# KiCad board Clavier.kicad_pcb (continued)
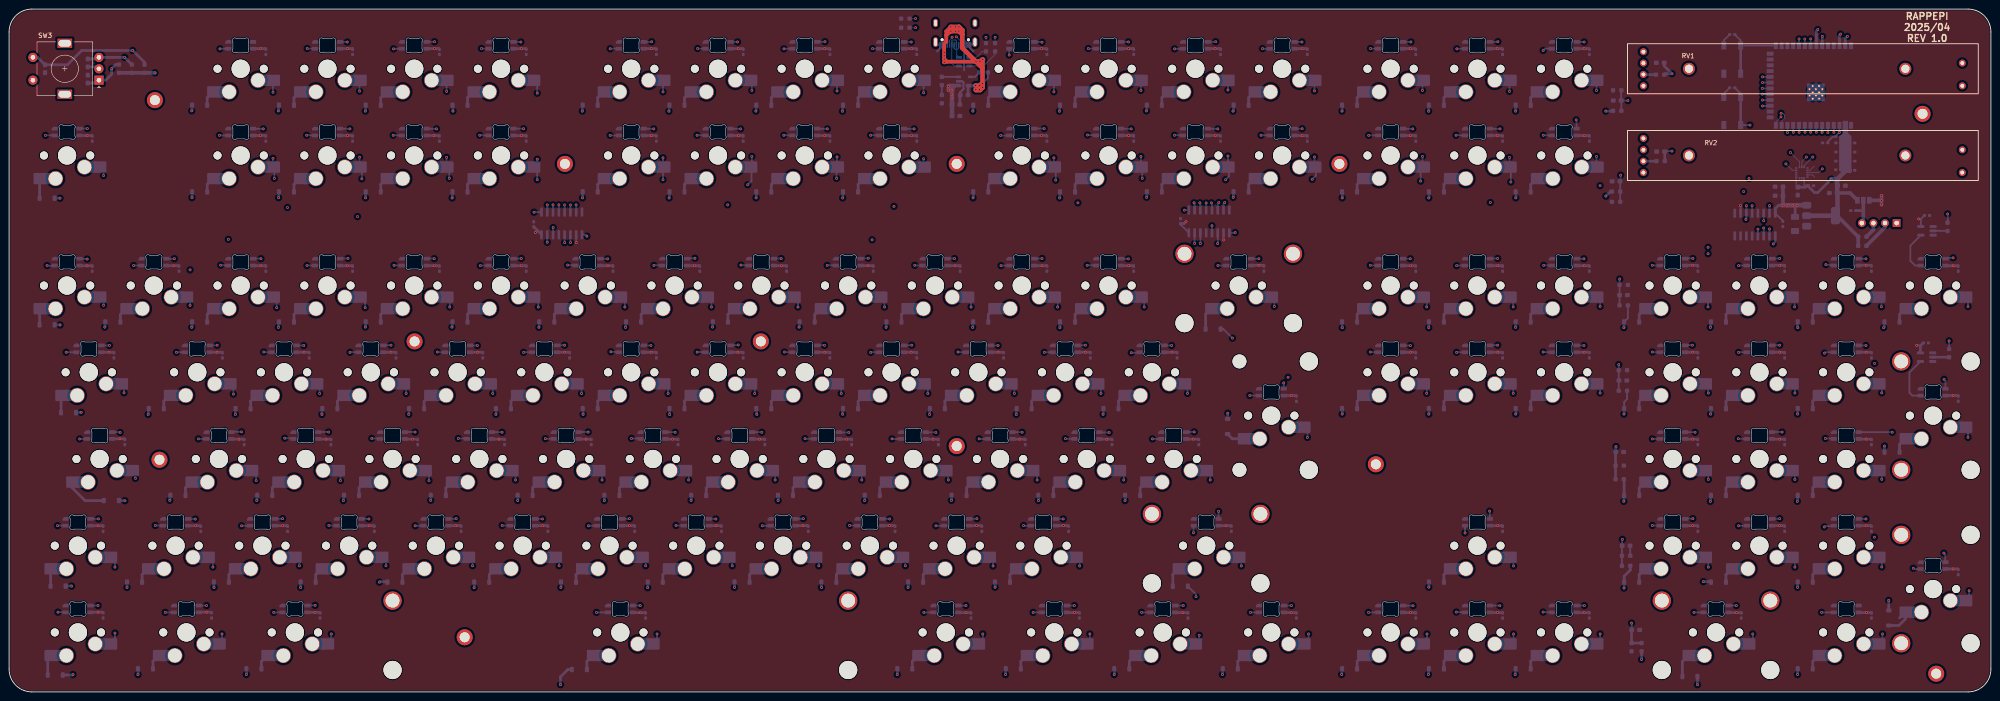
[diagram p0: board, top side]
## Routing (per net, layer and track width the routed paths; a pad name or vN(x,y) marks a point on that pad's centre or on a via; arc(x,y) is an arc through that point) (continued)
  In2.Cu w0.4: v1(39.73,92.71) v1(39.73,84.91) 49.23,75.41 v1(49.23,65.41) 54.23,60.41 v1(54.23,46.41) 44.73,36.91 v1(44.73,27.41) 46.73,25.41 v1(46.73,12.73)
  Bottom w0.4: MX75.1 54.23,47.83 v1(54.23,46.41) ; MX91.1 44.73,28.75 v1(44.73,27.41) ; v1(49.23,65.41) 49.23,67.11 MX54.1 ; v1(115.23,105.38) 115.23,105.39 116.86,105.39 ; 45.97,10.34 46.73,11.1 v1(46.73,12.73) ; v1(39.73,84.91) 39.73,86.14 MX33.1
Column 3: length 207.2
  In1.Cu w0.4: v1(61.1,106.41) 117.54,106.41 v1(118.13,107)
  In2.Cu w0.4: v1(70.73,12.73) 70.73,19.91 63.73,26.91 v1(63.73,27.71) 63.73,37.41 v1(72.73,46.41) 72.73,60.97 v1(68.15,65.54) 68.23,65.62 68.23,74.91 v1(58.73,84.41) 58.73,103.91 61.1,106.29 v1(61.1,106.41) 61.1,110.04 58.33,112.81 v1(58.23,112.81) ; v1(57.93,117.23) v1(57.93,131.73)
  Bottom w0.4: v1(57.93,131.73) 57.93,134.33 ; v1(68.15,65.54) 68.15,67.24 MX55.1 ; v1(58.73,84.41) 58.73,86.19 MX34.1 ; MX17.1 58.23,115.26 v1(58.23,112.81) ; MX92.1 63.73,28.8 v1(63.73,27.71) ; 57.93,115.4 v1(57.93,117.23) ; MX76.1 72.73,48.38 v1(72.73,46.41) ; v1(118.13,107) 118.13,105.39 ; v1(70.73,12.73) 70.73,11.16 69.97,10.4 69.97,10.34
Column 4: length 173
  In1.Cu w0.4: v1(119.38,107) 119.38,106.32 117.48,104.41 v1(76.48,104.41)
  In2.Cu w0.4: v1(76.93,117.46) v1(76.93,131.96) ; v1(82.73,27.71) 82.73,36.99 v1(92.15,46.41) 92.15,60.54 v1(87.15,65.54) 87.15,74.85 78.15,83.85 v1(78.15,84.41) 78.15,96.74 76.48,98.41 76.48,111.76 v1(77.43,112.71)
  Bottom w0.4: MX56.1 87.15,67.29 v1(87.15,65.54) ; v1(76.93,131.96) 76.93,134.57 ; MX93.1 82.73,28.85 v1(82.73,27.71) ; v1(119.38,107) 119.4,106.99 119.4,105.39 ; 76.93,115.64 v1(76.93,117.46) ; MX35.1 78.15,85.81 v1(78.15,84.41) ; MX77.1 92.15,48 v1(92.15,46.41) ; v1(77.43,112.71) 77.43,115.11 MX18.1
Column 5: length 153.4
  In2.Cu w0.4: 99.33,110.11 v1(96.63,112.81) ; 99.33,110.11 119.73,110.11 120.67,109.17 v1(120.67,107) ; 99.33,110.11 99.33,108.01 96.73,105.41 v1(96.73,84.54) 106.23,75.04 106.23,65.62 v1(106.15,65.54) 111.15,60.54 v1(111.15,46.54) 101.73,37.12 v1(101.73,27.71) ; v1(96.03,117.43) v1(96.03,131.93)
  Bottom w0.4: v1(96.73,84.54) 96.73,86.29 MX36.1 ; v1(96.63,112.81) 96.63,114.96 MX19.1 ; MX94.1 101.73,28.9 v1(101.73,27.71) ; v1(106.15,65.54) 106.15,67.34 105.81,67.68 ; v1(96.03,131.93) 96.03,134.53 ; MX78.1 111.15,48.05 v1(111.15,46.54) ; 96.03,115.6 v1(96.03,117.43) ; v1(120.67,107) 120.67,105.39
Column 6: length 137.1
  In2.Cu w0.4: v1(120.73,27.71) 120.73,37.12 v1(130.15,46.54) 130.15,61.04 v1(125.65,65.54) 125.65,74.99 116.15,84.49 v1(116.15,84.54) 116.15,95.49 114.23,97.41 114.23,101.41 116.35,103.54 118.35,103.54 121.81,107 v1(121.92,107) 121.92,109.82 120.23,111.51 116.93,111.51 v1(115.93,112.51) ; v1(115.93,117.03) v1(115.93,131.53)
  Bottom w0.4: v1(121.92,107) 121.94,106.99 121.94,105.39 ; MX95.1 120.73,28.95 v1(120.73,27.71) ; 115.93,115.2 v1(115.93,117.03) ; MX58.1 125.65,66.89 v1(125.65,65.54) ; MX79.1 130.15,48.1 v1(130.15,46.54) ; MX37.1 116.15,85.91 v1(116.15,84.54) ; v1(115.93,131.53) 115.93,134.13 ; v1(115.93,112.51) 115.93,114.71 MX20.1
Column 7: length 169.4
  In2.Cu w0.4: v1(143.53,117.33) v1(143.53,131.83) ; 141.13,110.11 v1(143.53,112.51) ; 141.13,110.11 124.93,110.11 123.23,108.41 v1(123.23,106.97) 123.23,106.91 ; 141.13,110.11 135.15,104.14 v1(135.15,84.54) 144.65,75.04 v1(144.65,65.54) 149.15,61.04 v1(149.15,46.54) 139.73,37.12 v1(139.73,27.71) 142.23,25.21 v1(142.23,12.73)
  Bottom w0.4: v1(135.15,84.54) 135.15,85.96 MX38.1 ; v1(143.53,112.51) 143.53,114.92 143.91,115.3 ; v1(139.73,27.71) 139.73,29 MX96.1 ; v1(149.15,46.54) 149.15,48.15 MX80.1 ; v1(144.65,65.54) 144.65,66.94 143.91,67.68 ; v1(142.23,12.73) 142.23,11.22 MX111.1 ; v1(123.23,106.97) 123.21,106.95 123.21,105.39 ; v1(143.53,131.83) 143.53,134.43 ; 143.53,115.5 v1(143.53,117.33)
Column 8: length 164
  In1.Cu w0.4: v1(124.46,107) v1(157.71,107)
  In2.Cu w0.4: v1(162.13,111.41) v1(157.71,107) 154.15,103.44 v1(154.15,84.54) 154.15,83.85 163.65,74.35 v1(163.65,65.54) 168.15,61.04 v1(168.15,46.54) 158.73,37.12 v1(158.73,27.71) ; v1(163.03,117.63) v1(163.03,132.13)
  Bottom w0.4: v1(162.13,111.41) 162.96,112.25 MX22.1 ; v1(168.15,46.54) 168.15,48.2 MX81.1 ; v1(158.73,27.71) 158.73,29.05 MX97.1 ; 163.03,115.8 v1(163.03,117.63) ; v1(154.15,84.54) 154.15,86.01 MX39.1 ; 124.48,105.39 124.48,106.99 v1(124.46,107) ; MX60.1 163.65,66.99 v1(163.65,65.54) ; v1(163.03,132.13) 163.03,134.73
Column 9: length 214.7
  In1.Cu w0.4: v1(260.21,98.51) 260.13,98.51 259.33,99.31 v1(189.43,99.31)
  In2.Cu w0.4: v1(181.73,117.53) v1(181.73,132.03) ; v1(181.63,112.81) 181.63,107.11 v1(189.43,99.31) 181.38,99.31 173.15,91.09 v1(173.15,84.54) 174.84,84.54 182.65,76.74 v1(182.65,65.54) 187.15,61.04 v1(187.15,46.54) 177.73,37.12 v1(177.73,27.71)
  Bottom w0.4: v1(173.15,84.54) 173.15,86.06 MX40.1 ; v1(187.15,46.54) 187.15,48.25 MX82.1 ; v1(181.73,132.03) 181.73,134.63 ; 181.73,115.7 v1(181.73,117.53) ; v1(182.65,65.54) 182.65,67.04 MX61.1 ; v1(177.73,27.71) 177.73,29.1 MX98.1 ; v1(181.63,112.81) 181.63,114.92 MX23.1 ; v1(260.21,98.51) 260.21,100.88
Column 10: length 195.7
  In1.Cu w0.4: v1(257.98,105.83) 257.14,106.66 v1(194.23,106.66)
  In2.Cu w0.4: v1(196.73,27.71) 196.73,37.12 v1(206.15,46.54) 206.15,50.7 205,51.85 205,62.2 v1(201.65,65.54) 201.65,75.04 v1(192.15,84.54) 192.15,104.59 v1(194.23,106.66) 200.73,113.16 v1(200.73,117.13) v1(200.73,131.63)
  Bottom w0.4: MX99.1 196.73,29.15 v1(196.73,27.71) ; MX62.1 201.65,67.09 v1(201.65,65.54) ; 258.94,105.83 v1(257.98,105.83) ; 200.73,115.3 v1(200.73,117.13) ; v1(206.15,46.54) 206.15,48.3 MX83.1 ; v1(200.73,131.63) 200.73,134.23 ; v1(192.15,84.54) 192.15,86.11 MX41.1
Column 11: length 195.2
  In1.Cu w0.4: v1(260.1,107.44) v1(234.6,107.44)
  In2.Cu w0.4: v1(229.73,112.41) 229.73,112.31 v1(234.6,107.44) 234.57,107.41 214.23,107.41 211.15,104.34 v1(211.15,84.54) 220.65,75.04 v1(220.65,65.54) 225.65,60.54 v1(225.65,46.54) 215.98,36.87 v1(215.98,27.66) 213.73,25.41 v1(213.73,12.73) ; v1(229.33,117.33) v1(229.33,131.83)
  Bottom w0.4: v1(211.15,84.54) 211.15,86.16 MX42.1 ; v1(225.65,46.54) 225.65,47.85 MX84.1 ; v1(215.98,27.66) 215.98,28.95 MX100.1 ; 229.33,115.5 v1(229.33,117.33) ; MX112.1 213.73,11.29 v1(213.73,12.73) ; v1(229.33,131.83) 229.33,134.43 ; v1(220.65,65.54) 220.65,67.14 220.11,67.68 ; MX25.1 229.73,115.21 v1(229.73,112.41) ; 260.21,105.83 260.21,107.33 v1(260.1,107.44)
Column 12: length 174.5
  In2.Cu w0.4: v1(237.23,12.73) 237.23,25.41 v1(234.98,27.66) 234.98,36.87 v1(244.65,46.54) 244.65,60.58 v1(239.66,65.58) 239.66,75.04 v1(230.15,84.54) 230.15,104.34 231.73,105.91 241.83,105.91 v1(248.73,112.81) 251.83,109.71 259.53,109.71 261.37,107.87 v1(261.37,107.44) ; v1(248.43,117.63) v1(248.43,132.13)
  Bottom w0.4: v1(248.43,132.13) 248.43,134.73 ; v1(230.15,84.54) 230.15,86.21 MX43.1 ; MX26.1 248.73,115.26 v1(248.73,112.81) ; 261.48,105.83 261.48,107.33 v1(261.37,107.44) ; MX113.1 237.23,10.97 v1(237.23,12.73) ; v1(239.66,65.58) 239.66,67.18 MX64.1 ; v1(234.98,27.66) 234.98,29 MX101.1 ; 248.43,115.8 v1(248.43,117.63) ; MX85.1 244.65,47.9 v1(244.65,46.54)
Column 13: length 163
  In2.Cu w0.4: v1(267.03,112.51) 262.75,108.24 v1(262.75,107.41) 262.75,106.19 261.48,104.91 250.48,104.91 249.15,103.59 v1(249.15,84.54) 258.66,75.04 v1(258.66,65.58) 263.65,60.58 v1(263.65,46.54) 265.84,46.54 270.48,41.91 v1(270.48,27.66) 261.23,18.41 v1(261.23,12.45) ; v1(267.53,117.73) v1(267.53,132.23)
  Bottom w0.4: MX86.1 263.65,47.95 v1(263.65,46.54) ; 257.98,67.66 257.99,67.68 MX65.1 258.66,67.23 v1(258.66,65.58) ; MX27.1 267.74,113.22 v1(267.03,112.51) ; 262.75,105.83 v1(262.75,107.41) ; v1(261.23,12.45) 261.23,11.16 MX114.1 ; MX102.1 270.48,29.22 v1(270.48,27.66) ; 267.53,115.9 v1(267.53,117.73) ; v1(249.15,84.54) 249.15,86.26 MX44.1 ; v1(267.53,132.23) 267.53,134.83
Column 14: length 166.5
  In2.Cu w0.4: v1(286.53,117.53) v1(286.53,132.03) ; v1(286.03,112.61) 283.83,110.41 266.88,110.41 v1(263.91,107.44) 266.69,104.66 273.98,104.66 277.73,100.91 v1(277.73,84.66) 277.73,74.91 284.98,67.66 v1(284.98,55.91) 280.73,51.66 280.73,45.91 285.23,41.41 v1(285.23,12.73)
  Bottom w0.4: v1(286.53,132.03) 286.53,134.63 ; v1(277.73,84.66) 277.73,86.26 MX45.1 ; MX28.1 286.83,115.26 286.83,113.41 v1(286.03,112.61) ; MX66.1 284.98,57.58 v1(284.98,55.91) ; 286.53,115.7 v1(286.53,117.53) ; v1(285.23,12.73) 285.23,11.35 MX115.1 ; 264.02,105.83 264.02,107.33 v1(263.91,107.44)
Column 15: length 178.2
  In2.Cu w0.4: v1(311.23,12.73) 310.48,13.48 310.48,64.9 v1(311.16,65.58) 310.48,66.26 310.48,83.9 v1(311.16,84.58) 310.91,84.82 310.91,106.5 308,109.41 307.03,109.41 ; 307.03,109.41 307.98,109.41 309.83,111.26 v1(309.83,112.21) ; 307.03,109.41 267.43,109.41 v1(265.53,107.51) ; v1(310.23,117.63) v1(310.23,132.13)
  Bottom w0.4: MX46.1 311.16,86.17 v1(311.16,84.58) ; v1(311.23,12.73) 311.23,11.16 MX116.1 ; MX67.1 311.16,67.12 v1(311.16,65.58) ; 310.23,115.8 v1(310.23,117.63) ; v1(309.83,112.21) 309.83,114.53 MX29.1 ; v1(265.53,107.51) 265.29,107.28 265.29,105.83 ; v1(310.23,132.13) 310.23,134.73
Column 16: length 197.9
  In1.Cu w0.4: v1(266.83,107.51) v1(325.13,107.51)
  In2.Cu w0.4: v1(329.63,112.01) v1(325.13,107.51) 328.38,107.51 330.01,105.88 330.01,84.73 v1(330.16,84.58) 329.48,83.9 329.48,77.91 329.96,77.42 329.96,65.77 v1(330.16,65.58) 329.48,64.9 329.48,58.66 330.23,57.91 v1(330.23,27.66) v1(330.23,12.73) ; v1(329.33,117.43) v1(329.33,131.93)
  Bottom w0.4: v1(266.83,107.51) 266.56,107.25 266.56,105.83 ; MX30.1 329.63,115.28 v1(329.63,112.01) ; v1(330.23,12.73) 330.23,11.11 MX117.1 ; v1(330.16,65.58) 330.16,67.17 MX68.1 ; MX47.1 330.16,86.22 v1(330.16,84.58) ; v1(330.23,27.66) 330.23,29 MX103.1 ; v1(329.33,131.93) 329.33,134.53 ; 329.33,115.6 v1(329.33,117.43)
Column 17: length 171.7
  In1.Cu w0.4: v1(349.23,111.21) 350.53,109.91 v1(380.73,109.91)
  In2.Cu w0.4: v1(348.43,132.13) v1(348.43,117.63) 349.23,116.83 v1(349.23,111.21) v1(349.23,84.66) v1(349.23,65.66) v1(349.23,12.73) ; v1(380.73,109.91) 383.43,109.91 386.41,106.93 v1(386.41,106.82)
  Bottom w0.4: 348.43,115.8 v1(348.43,117.63) ; MX118.1 349.23,11.06 v1(349.23,12.73) ; v1(386.41,106.82) 386.41,105.2 ; v1(349.23,65.66) 349.23,67.15 MX69.1 ; 348.95,86.73 349.23,86.45 v1(349.23,84.66) ; v1(348.43,132.13) 348.43,134.73
Column 18: length 119.1
  In1.Cu w0.4: v1(372.93,96.27) 372.91,96.25 v1(372.91,84.58) ; v1(372.93,97.67) 373.67,98.41 v1(387.23,98.41)
  In2.Cu w0.4: v1(372.91,84.58) 372.72,84.39 372.71,84.39 371.98,83.66 371.98,76.66 372.98,75.66 v1(372.98,65.66) 372.98,65.41 372.23,64.66 372.23,55.41 372.98,54.66 v1(372.98,46.66) 372.23,45.91 372.23,33.41 372.98,32.66 v1(372.98,27.41) 382.73,17.66 v1(382.73,12.73) ; v1(372.93,96.27) v1(372.93,97.67)
  Bottom w0.4: MX119.1 382.73,11.22 v1(382.73,12.73) ; MX87.1 372.98,48.16 v1(372.98,46.66) ; MX70.1 372.98,67.21 v1(372.98,65.66) ; v1(372.91,84.58) 372.91,86.33 MX49.1 ; v1(372.98,27.41) 372.98,29.11 MX104.1 ; 387.67,100.19 387.67,98.86 v1(387.23,98.41)
Column 19: length 88.5
  In2.Cu w0.4: v1(386.41,101.72) 391.91,96.22 v1(391.91,84.58) 391.48,84.15 391.48,66.16 v1(391.98,65.66) 391.48,65.16 391.48,47.16 v1(391.98,46.66) 391.23,45.91 391.23,28.16 v1(391.98,27.41)
  Bottom w0.4: MX88.1 391.98,48.21 v1(391.98,46.66) ; MX71.1 391.98,67.26 v1(391.98,65.66) ; MX50.1 391.91,86.38 v1(391.91,84.58) ; v1(391.98,27.41) 391.98,29.16 MX105.1 ; 386.41,100.19 v1(386.41,101.72)
Column 20: length 125.2
  In2.Cu w0.4: v1(411.23,12.73) 411.05,12.91 v1(411.05,27.44) v1(411.05,46.69) 410.48,47.26 410.48,65.12 v1(411.05,65.69) 410.48,66.26 410.48,84.11 v1(410.98,84.61) 410.98,94.66 407.73,97.91 391.73,97.91 387.22,102.42 385.63,102.42 v1(385.13,101.91)
  Bottom w0.4: v1(411.05,65.69) 411.05,67.24 410.61,67.68 ; v1(411.23,12.73) 411.23,11.14 410.61,10.53 ; v1(410.98,84.61) 410.98,86.36 410.61,86.73 ; 410.61,48.63 411.05,48.19 v1(411.05,46.69) ; v1(411.05,27.44) 411.05,29.14 410.61,29.58 ; v1(385.13,101.91) 385.13,100.19
Column 21: length 134.5
  In1.Cu w0.4: v1(429.98,84.66) 429.98,94.91 426.48,98.41 392.73,98.41 391.48,99.66 385.86,99.66 v1(383.86,101.66)
  In2.Cu w0.4: v1(430.23,22.23) 430.23,29.66 426.98,32.91 426.98,52.91 v1(429.98,55.91) 429.98,68.41 427.73,70.66 427.73,77.66 429.98,79.91 v1(429.98,84.66)
  Bottom w0.4: v1(383.86,101.66) 383.86,100.19 ; 429.66,58.15 429.98,57.84 v1(429.98,55.91) ; v1(430.23,22.23) 430.23,20.62 429.66,20.05 ; 429.66,86.73 429.98,86.41 v1(429.98,84.66)
D+: length 199.9
  In2.Cu w0.158: v1(388.93,126.31) 389.21,126.31 389.5,126.6 389.5,127.98 389.28,128.2 389.28,143.48 385.58,147.18 216.43,147.18 215.25,146 215.25,144.63 v1(214.43,143.81)
  Bottom w0.2: v1(388.93,126.31) 387.8,125.19 U1.14 ; R20.1 v1(214.43,143.81)
D-: length 198.8
  In2.Cu w0.158: v1(216.43,143.81) 215.61,144.63 215.61,145.85 216.58,146.82 385.43,146.82 388.92,143.33 388.92,127.14
  In2.Cu w0.2: 216.43,144.11 v1(216.43,143.81) ; 388.92,127.14 v1(388.95,127.11)
  Bottom w0.2: v1(388.95,127.11) 389.33,127.11 389.73,126.71 389.73,126.09 389.13,125.49 389.13,124.52 U1.13 ; R21.1 v1(216.43,143.81)
EN: length 38.4
  In1.Cu w0.4: v1(401.73,122.91) 401.73,125.11 401.33,125.51 383.13,125.51 v1(382.13,124.51)
  Bottom w0.4: U1.3 401.77,122.96 v1(401.73,122.91) 400.93,122.12 R1.2 400.33,122.01 399.19,120.88 C121.1 ; SW2.2 380.08,131.43 C130.1 ; v1(382.13,124.51) SW2.2
  Bottom w0.6: SW2.2 SW2.2
GPIO1: length 58.5
  In1.Cu w0.6: v1(403.5,144) 412,144 413,143 413,106.5 412,105.5 410,105.5 409.22,104.72 J2.3
  Bottom w0.6: v1(403.5,144) 403.04,143.54 U1.39
  Bottom w0.8: J2.3 409.22,101.53 R26.2
GPIO2: length 64.3
  In1.Cu w0.6: J2.2 414,105.24 414,144 412.5,145.5 403,145.5 v1(402,144.5)
  Bottom w0.6: U1.38 401.77,144.27 v1(402,144.5)
  Bottom w0.8: R31.2 411.76,102.07 J2.2
LED Data 1: length 72.5
  In1.Cu w0.6: v1(398,144) 400.5,146.5 423,146.5 425.5,144 v1(425.5,105)
  Bottom w0.4: v1(425.5,105) 425.53,104.98 425.53,103.11
  Bottom w0.6: U1.35 397.96,142.54 398,142.58 v1(398,144)
LED Data 2: length 109.2
  In1.Cu w0.6: v1(425.83,77.11) 432,83.29 432,105.5 427,110.5 427,144 423.5,147.5 399,147.5 v1(397,145.5)
  Bottom w0.4: v1(425.83,77.11) 425.83,77.11 R22.2
  Bottom w0.6: v1(397,145.5) 396.69,145.19 U1.34
POT 1: length 29.4
  In1.Cu w0.4: v1(365,135.8) 365,134.84 369.82,130.02 v1(384.86,130.02)
  Bottom w0.4: 386.55,130.02 v1(384.86,130.02)
  Bottom w0.6: C148.1 363.29,137.51 v1(365,135.8) 363.51,135.8 R4.1
POT 2: length 31.2
  In1.Cu w0.4: v1(365,118.8) 365,121.99 371.73,128.71 v1(384.88,128.71)
  Bottom w0.4: v1(365,118.8) 363.41,118.8 ; 386.57,128.71 v1(384.88,128.71)
  Bottom w0.6: 363.41,116.5 363.41,118.55
RE_A: length 395.6
  In2.Cu w0.4: v1(22.53,136.91) 22.53,144.31 27.51,149.3 389.61,149.3 v1(395.44,143.46)
  Bottom w0.4: 395.43,141.88 395.43,143.45
  Bottom w0.6: C139.1 19.09,133.76 SW3.A 21.21,134.39 22.53,135.71 v1(22.53,136.91) 23.44,137.83 R24.1
RE_B: length 390.7
  Top w0.6: 19.85,139.27 SW3.B
  In2.Cu w0.4: v1(394.14,143.43) 388.95,148.61 197.63,148.61 197.53,148.51 27.93,148.51 25.36,145.95 v1(25.36,139.39)
  Bottom w0.4: 394.16,141.88 394.16,143.4
  Bottom w0.6: R25.1 v1(25.36,139.39) SW3.B 19.37,139.04 C140.1
RE_S: length 407.3
  In2.Cu w0.4: v1(392.89,143.44) 388.42,147.91 215.73,147.91 212.93,145.11 211.59,145.11 209.5,147.2 206.1,147.2 204.01,145.11 201.73,145.11 199.73,147.11 197.93,147.11 197.33,147.71 28.33,147.71 27.13,146.51 v1(27.13,140.91)
  Bottom w0.4: 392.88,141.86 392.88,143.43
  Bottom w0.6: R23.2 29.73,138.31 v1(27.13,140.91) 15.95,140.91 12.8,137.77 C138.1 6.25,139.39 SW3.S1
Row 1: length 39.4
  In2.Cu w0.4: v1(384.88,135.11) 384.48,134.71 364.13,134.71 359.33,129.91 v1(355.33,129.91)
  Bottom w0.4: C141.1 353.84,132.11 R6.1 ; C141.1 353.89,129.86 R5.2 ; C141.1 v1(355.33,129.91) ; 386.57,135.11 v1(384.88,135.11)
Row 2: length 52.7
  In2.Cu w0.4: v1(384.86,133.85) 364.67,133.85 353.73,122.91 v1(353.73,113.51)
  Bottom w0.4: R8.1 353.64,112.11 C142.1 353.73,112.3 v1(353.73,113.51) ; 386.55,133.85 v1(384.86,133.85)
Row 3: length 74.1
  In2.Cu w0.4: v1(384.84,132.58) 384.77,132.51 364.73,132.51 354.93,122.71 354.93,112.11 353.53,110.71 v1(353.53,90.71)
  Bottom w0.4: 353.5,84.91 353.5,90.69 v1(353.53,90.71) ; 386.53,132.58 v1(384.84,132.58)
Row 4: length 91.6
  In2.Cu w0.4: v1(384.84,131.32) 384.83,131.31 364.93,131.31 355.93,122.31 355.93,111.91 354.33,110.31 354.33,89.51 353.31,88.5 v1(353.31,71.9)
  Bottom w0.4: 353.33,71.91 v1(353.31,71.9) R12.1 R11.2 ; 386.53,131.32 v1(384.84,131.32)
Row 5: length 106.7
  In2.Cu w0.4: v1(352.73,53.91) 352.73,69.51 355.53,72.31 355.53,110.11 357.13,111.71 367.93,111.71 376.93,120.71 388.93,120.71 390.35,122.14 v1(390.35,122.9)
  Bottom w0.4: 390.36,124.49 390.36,122.92
  Bottom w0.6: v1(352.73,53.91) 352.66,53.85 C145.1 352.61,52.66 R13.2
Row 6: length 126.2
  In2.Cu w0.4: v1(354.13,33.51) 354.13,36.51 353.53,37.11 353.53,69.31 356.33,72.11 356.33,109.71 357.53,110.91 368.33,110.91 377.33,119.91 389.33,119.91 391.66,122.25 v1(391.66,122.94)
  Bottom w0.4: v1(354.13,33.51) 354.06,33.45 C146.1 354.01,32.06 R15.2 ; 391.63,124.49 391.63,122.96
Row 7: length 144.6
  In2.Cu w0.4: v1(392.9,122.92) 392.9,122.29 389.73,119.11 377.73,119.11 368.73,110.11 357.93,110.11 357.13,109.31 357.13,16.51 356.13,15.51 v1(356.13,15.11)
  Bottom w0.4: v1(356.13,15.11) 356.16,15.08 C147.1 ; 356.13,13.49 356.26,13.63 ; 392.92,124.51 392.92,122.94
  Bottom w0.6: R17.2 R18.1 356.13,13.49
SPI_CLK: length 297.4
  In1.Cu w0.4: v1(381.23,103.8) 379.14,101.71 266.63,101.71 265.29,100.37 v1(265.29,98.48) 262.86,100.91 124.73,100.91 123.23,99.41 v1(123.23,98.7) ; v1(381.33,106.81) 381.33,107.33 v1(390,116) 395.45,121.45 v1(395.45,122.95)
  Bottom w0.2: v1(390,116) 391.42,114.59 U10.4
  Bottom w0.4: 381.23,105.42 381.32,105.33 381.32,103.9 v1(381.23,103.8) ; v1(381.33,106.81) 381.33,105.19 ; v1(265.29,98.48) 265.29,100.93 ; 395.43,124.5 395.43,122.97 ; v1(123.23,98.7) 123.23,100.31
SPI_CS_ACCEL: length 11.3
  In1.Cu w0.4: v1(395.9,117.5) 399.22,120.82 v1(399.22,122.88)
  Bottom w0.2: 399.23,122.89 v1(399.22,122.88) ; v1(395.9,117.5) 394,115.6 U10.8
  Bottom w0.4: U1.5 399.23,122.89
SPI_CS_SR: length 292.7
  In1.Cu w0.4: v1(396.7,122.96) 396.7,121.2 382.6,107.1 v1(382.6,106.82) 378.29,102.51 264.13,102.51 v1(264.03,102.41) 263.33,101.71 124.33,101.71 121.93,99.31 v1(121.93,98.7)
  Bottom w0.4: 264.02,100.88 264.02,102.41 v1(264.03,102.41) ; v1(382.6,106.82) 382.6,105.2 ; 396.67,124.51 396.67,122.99 ; v1(121.93,98.7) 121.93,100.31
SPI_MISO: length 11.1
  In1.Cu w0.4: v1(397.95,122.93) 397.95,120.95 v1(394.5,117.5)
  Bottom w0.2: v1(394.5,117.5) 393.5,116.5 U10.7
  Bottom w0.4: 397.93,124.43 U1.6 ; 397.93,124.48 397.93,123.5
  Bottom w0.6: 397.93,123.5 397.93,122.95 v1(397.95,122.93)
SPI_MOSI: length 291.3
  In1.Cu w0.4: v1(119.43,102.02) 119.92,102.51 262.83,102.51 263.63,103.31 375.13,103.31 379.63,107.81 380.33,107.81 394.21,121.7 v1(394.21,122.96)
  Bottom w0.2: 391.03,118.47 393,116.5 U10.6
  Bottom w0.4: 394.19,124.51 394.19,122.98 ; v1(119.43,102.02) 119.43,100.41
  vias: v1(391.01,118.49)
Net-(D1-A): length 3.4
  Bottom w0.6: MX1.2 43.48,130.55 D1.2
Net-(D1-K): length 330.8
  In1.Cu w0.6: v1(350.48,127.59) v1(330.66,127.59) v1(78.19,127.59) 78.15,127.63 v1(59.09,127.63) 40.1,127.63 v1(40.09,127.65)
  Bottom w0.6: 330.71,128.85 330.71,127.63 ; v1(249.64,127.63) 249.73,127.72 D11.1 ; v1(268.64,127.59) 268.78,127.72 D12.1 ; 182.96,128.83 182.96,127.62 ; R5.1 351.99,127.59 v1(350.48,127.59) ; 59.14,128.89 59.14,127.67 ; v1(97.43,127.59) 97.43,128.65 97.24,128.83 ; 211.58,128.85 211.58,127.63 ; 78.23,128.85 78.23,127.63 ; 268.69,128.96 268.86,128.79 ; 311.61,128.83 311.61,127.62 ; 163.96,128.85 163.96,127.63 ; 292.61,128.85 292.61,127.63 ; 125.86,128.85 125.86,127.63 ; 40.13,128.91 40.13,127.69 ; 230.59,128.83 230.59,127.62 ; 144.86,128.83 144.86,127.62
  vias: v1(125.81,127.59) v1(144.82,127.58) v1(163.91,127.59) v1(182.92,127.58) v1(211.54,127.59) v1(230.54,127.58) v1(292.56,127.59) v1(311.57,127.58)
Net-(D2-A): length 3.4
  Bottom w0.6: MX2.2 62.53,130.55 D2.2
Net-(D3-A): length 3.4
  Bottom w0.6: MX3.2 81.58,130.55 D3.2
Net-(D4-A): length 3.4
  Bottom w0.6: MX4.2 100.63,130.55 D4.2
Net-(D5-A): length 3.4
  Bottom w0.6: MX5.2 129.2,130.55 D5.2
Net-(D6-A): length 3.4
  Bottom w0.6: MX6.2 148.25,130.55 D6.2
Net-(D7-A): length 3.4
  Bottom w0.6: D7.2 167.3,130.55 MX7.2
Net-(D8-A): length 3.4
  Bottom w0.6: D8.2 186.35,130.55 187.61,131.81
Net-(D9-A): length 3.4
  Bottom w0.6: MX9.2 214.93,130.55 D9.2
Net-(D10-A): length 3.4
  Bottom w0.6: D10.2 233.98,130.55 MX10.2
Net-(D11-A): length 3.4
  Bottom w0.6: D11.2 253.03,130.55 MX11.2
Net-(D12-A): length 3.4
  Bottom w0.6: D12.2 272.08,130.55 MX12.2
Net-(D13-A): length 3.4
  Bottom w0.6: D13.2 295.89,130.55 MX13.2
Net-(D14-A): length 3.4
  Bottom w0.6: MX14.2 314.94,130.55 D14.2
Net-(D15-A): length 3.4
  Bottom w0.6: MX15.2 333.99,130.55 D15.2
Net-(D16-A): length 4.3
  Bottom w0.2: 6.69,112.71 MX16.2
  Bottom w0.6: D16.2 6.69,112.71
Net-(D16-K): length 361.1
  In1.Cu w0.6: 350.23,108.66 v1(350.48,108.91) 350.09,108.53 v1(330.71,108.53) 330.65,108.59 v1(40.13,108.59) 40.01,108.46 v1(11.18,108.46)
  Bottom w0.6: 211.63,109.79 211.63,108.57 ; 183.01,109.77 183.01,108.56 ; v1(40.13,108.59) 40.18,108.63 D17.1 ; 78.28,109.79 78.28,108.57 ; 249.73,109.91 249.73,108.7 ; 164,109.79 164,108.57 ; 311.66,109.77 311.66,108.56 ; 144.91,109.77 144.91,108.56 ; 230.63,109.77 230.63,108.56 ; R7.1 351.48,109.91 v1(350.48,108.91) ; 9.96,108.46 v1(11.18,108.46) ; 125.9,109.79 125.9,108.57 ; 330.75,109.79 330.75,108.57 ; 97.28,109.77 97.28,108.56 ; 292.65,109.79 292.65,108.57 ; 268.73,109.9 268.73,108.68 ; 59.18,109.83 59.18,108.61
  vias: v1(59.14,108.57) v1(78.23,108.53) v1(97.24,108.51) v1(125.86,108.53) v1(144.86,108.51) v1(163.96,108.53) v1(182.96,108.51) v1(211.58,108.53) v1(230.59,108.51) v1(249.68,108.66) v1(268.69,108.64) v1(292.61,108.53) v1(311.61,108.51)
Net-(D17-A): length 3.4
  Bottom w0.6: MX17.2 43.48,111.5 D17.2
Net-(D18-A): length 3.4
  Bottom w0.6: MX18.2 62.53,111.5 D18.2
Net-(D19-A): length 3.4
  Bottom w0.6: D19.2 81.58,111.5 MX19.2
Net-(D20-A): length 3.4
  Bottom w0.6: D20.2 100.63,111.5 MX20.2
Net-(D21-A): length 3.4
  Bottom w0.6: MX21.2 129.2,111.5 D21.2
Net-(D22-A): length 3.4
  Bottom w0.6: D22.2 148.25,111.5 MX22.2
Net-(D23-A): length 3.4
  Bottom w0.6: D23.2 167.3,111.5 MX23.2
Net-(D24-A): length 3.4
  Bottom w0.6: D24.2 186.35,111.5 187.61,112.76
Net-(D25-A): length 3.4
  Bottom w0.6: D25.2 214.93,111.5 MX25.2
Net-(D26-A): length 3.4
  Bottom w0.6: D26.2 233.98,111.5 MX26.2
Net-(D27-A): length 3.4
  Bottom w0.6: D27.2 253.03,111.5 MX27.2
Net-(D28-A): length 3.4
  Bottom w0.6: MX28.2 272.08,111.5 D28.2
Net-(D29-A): length 3.4
  Bottom w0.6: MX29.2 295.89,111.5 D29.2
Net-(D30-A): length 3.4
  Bottom w0.6: MX30.2 314.94,111.5 D30.2
Net-(D31-A): length 3.5
  Bottom w0.6: MX31.2 333.99,111.46 D31.2
Net-(D32-A): length 3.6
  Bottom w0.6: MX32.2 6.69,84.14 D32.2
Net-(D32-K): length 434.9
  In1.Cu w0.6: v1(411.46,80.01) 287.53,80.01 285.23,77.71 v1(268.53,77.71) 256.53,77.71 254.1,80.14 223.14,80.14 223.14,80.13 v1(20.99,80.13) 20.53,80.6 v1(11.19,80.6)
  Bottom w0.4: R9.1 355.33,82.09 D49.1 ; v1(268.53,77.71) 266.53,79.71 D45.1
  Bottom w0.6: v1(292.63,80.01) 292.61,80.03 292.61,81.35 ; 21.04,81.39 21.04,80.18 ; 192.53,81.35 192.53,80.14 ; 373.46,81.34 373.46,80.12 ; D44.1 230.68,80.05 ; 311.61,81.34 v1(311.61,80.01) ; v1(354.43,80.01) 354.46,80.04 354.46,81.35 ; 211.54,81.34 211.54,80.12 ; 9.93,80.65 11.15,80.65 ; 330.71,81.35 330.71,80.14 v1(330.66,80.09) ; 40.13,81.35 40.13,80.14 ; 173.44,81.39 173.44,80.18 ; v1(411.46,80.01) 411.56,80.12 411.56,81.34 ; 78.23,81.41 78.23,80.19 ; v1(392.63,80.01) 392.56,80.08 392.56,81.35 ; 59.14,81.34 59.14,80.12 ; 154.43,81.41 154.43,80.19 ; 97.24,81.39 97.24,80.18 ; 116.33,81.35 116.33,80.14 ; 135.34,81.34 135.34,80.12
  vias: v1(40.09,80.09) v1(59.09,80.08) v1(78.19,80.15) v1(97.19,80.13) v1(116.29,80.09) v1(135.29,80.08) v1(154.39,80.15) v1(173.39,80.13) v1(192.49,80.09) v1(211.49,80.08) v1(230.63,80.01) v1(373.42,80.08)
Net-(D33-A): length 3.4
  Bottom w0.6: D33.2 24.43,82.93 MX33.2
Net-(D34-A): length 3.4
  Bottom w0.6: MX34.2 43.48,82.93 D34.2
Net-(D35-A): length 3.4
  Bottom w0.6: D35.2 62.53,82.93 MX35.2
Net-(D36-A): length 3.4
  Bottom w0.6: MX36.2 81.58,82.93 D36.2
Net-(D37-A): length 3.4
  Bottom w0.6: D37.2 100.63,82.93 MX37.2
Net-(D38-A): length 3.4
  Bottom w0.6: D38.2 119.68,82.93 MX38.2
Net-(D39-A): length 3.4
  Bottom w0.6: D39.2 138.73,82.93 MX39.2
Net-(D40-A): length 3.4
  Bottom w0.6: D40.2 157.78,82.93 MX40.2
Net-(D41-A): length 3.4
  Bottom w0.6: MX41.2 176.83,82.93 D41.2
Net-(D42-A): length 3.4
  Bottom w0.6: MX42.2 195.88,82.93 D42.2
Net-(D43-A): length 3.4
  Bottom w0.6: MX43.2 214.93,82.93 D43.2
Net-(D44-A): length 3.4
  Bottom w0.6: D44.2 233.98,82.93 MX44.2
Net-(D45-A): length 5
  Bottom w0.6: MX45.2 262.63,83.01 D45.2
Net-(D46-A): length 3.4
  Bottom w0.6: MX46.2 295.89,82.93 D46.2
Net-(D47-A): length 3.4
  Bottom w0.6: MX47.2 314.94,82.93 D47.2
Net-(D48-A): length 3.4
  Bottom w0.6: MX48.2 333.99,82.93 D48.2
Net-(D49-A): length 3.4
  Bottom w0.6: D49.2 357.8,82.93 MX49.2
Net-(D50-A): length 3.4
  Bottom w0.6: 378.11,84.19 376.85,82.93 D50.2
Net-(D51-A): length 3.4
  Bottom w0.6: MX51.2 395.9,82.93 D51.2
Net-(D52-A): length 3.4
  Bottom w0.6: D52.2 414.95,82.93 MX52.2
Net-(D53-A): length 3.8
  Bottom w0.6: MX53.2 11.4,61.35 D53.2
Net-(D53-K): length 433.3
  In1.Cu w0.6: v1(411.65,54.02) 411.65,58.5 409.12,61.03 v1(392.56,61.03) v1(292.61,61.03) 291.03,62.61 280.33,62.61 279.57,63.37 269.65,63.37 v1(267.51,61.23) 267.25,60.97 v1(240.11,60.97) 240.1,60.96 v1(30.52,60.96) 30.05,61.42 15.83,61.42 v1(15.82,61.41)
  Bottom w0.4: R11.1 355.14,64.33 354.5,63.69 D70.1
  Bottom w0.6: 49.66,62.17 v1(49.66,60.96) ; 87.76,62.23 87.76,61.02 ; 106.89,62.21 106.89,61 ; 164.08,62.23 164.08,61 v1(164.13,60.96) ; 373.51,62.27 373.51,61.06 ; 411.61,52.76 411.61,53.97 ; 392.6,62.29 392.6,61.07 ; v1(15.82,61.41) 14.72,61.41 14.66,61.47 ; 240.16,62.23 240.16,61.02 ; 144.99,62.16 v1(144.99,60.94) ; 330.75,62.29 330.75,61.07 ; 125.98,62.17 v1(125.98,60.96) ; 311.66,62.27 311.66,61.06 ; 292.65,62.29 292.65,61.07 ; 30.56,62.21 30.56,61 ; 221.06,62.16 v1(221.06,60.94) ; 182.96,62.21 v1(182.96,61) ; 202.06,62.17 v1(202.06,60.96) ; 267.46,59.97 267.46,61.19 ; 354.5,62.29 354.5,61.07 ; 68.66,62.16 v1(68.66,60.94)
  vias: v1(87.71,60.97) v1(106.85,60.96) v1(311.61,61.02) v1(330.71,61.03) v1(354.46,61.03) v1(373.46,61.02)
